# Altium PCB ESP32_Dash_FCEM_V1.0.PcbDoc
Units mil, origin at the board's own origin, x right, y up, seen from the top; angles counter-clockwise.
Board outline 3858.27 x 2218.11 mil, 2 copper layers (Top Layer, Bottom Layer); 48 components, 60 nets, 195 pads, 36 vias.
Unrouted connection lines stored in the file: 5.
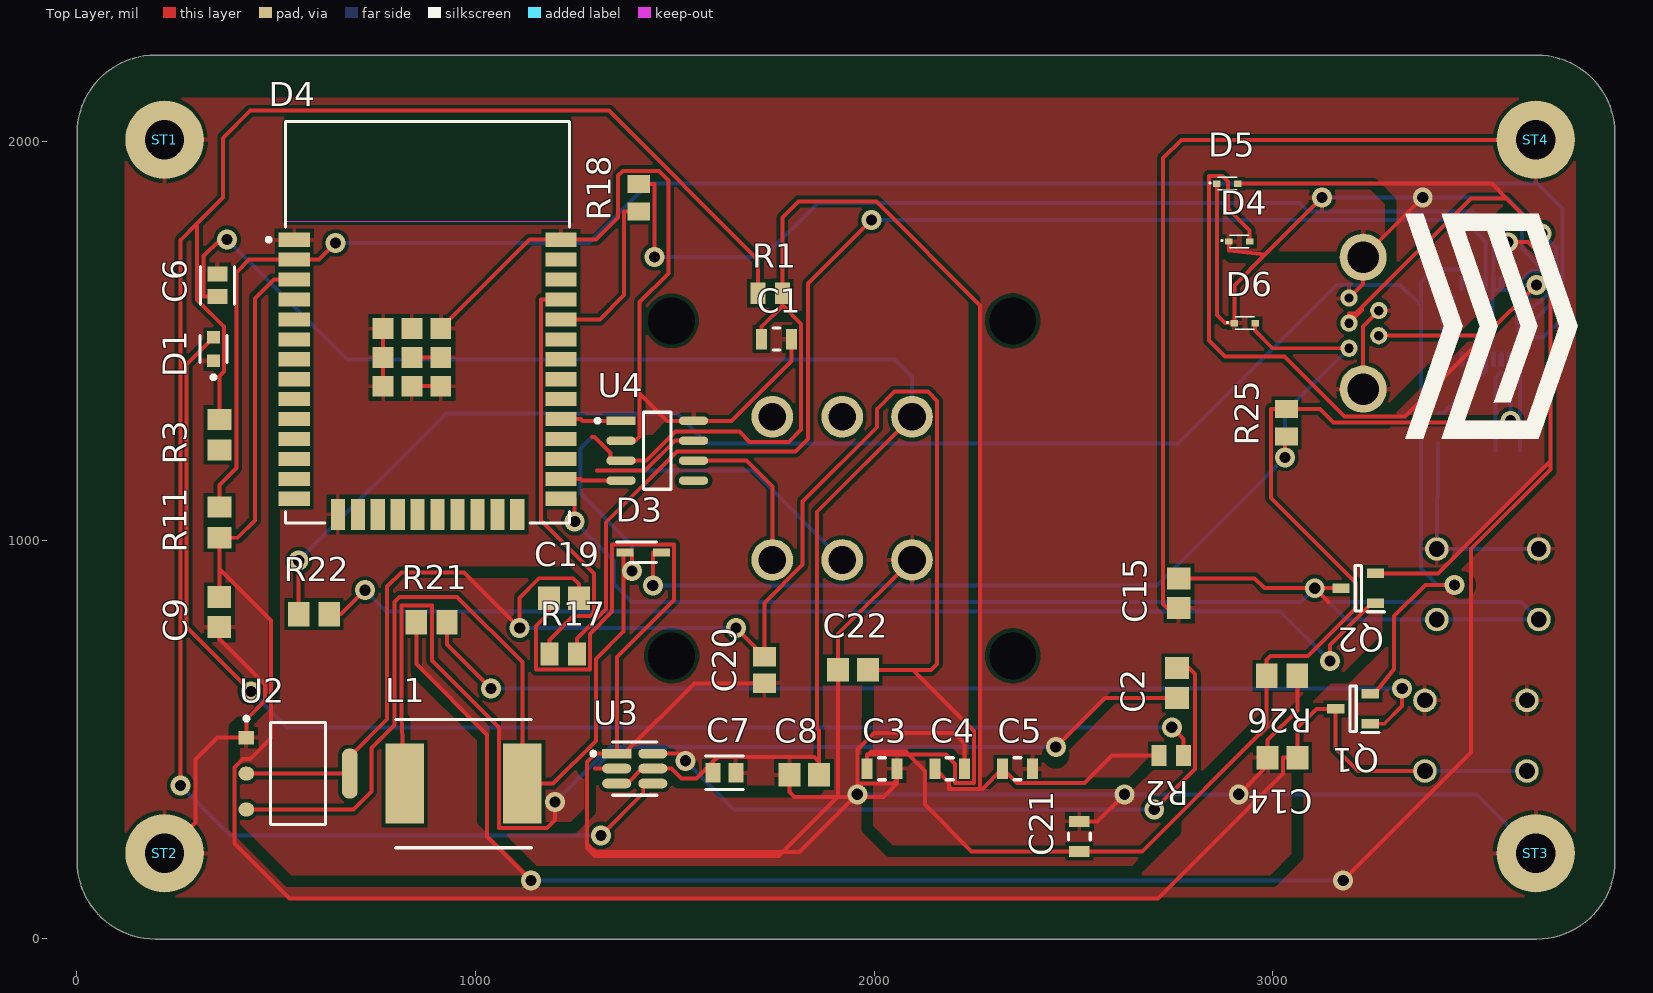
[diagram p0: Top Layer view]
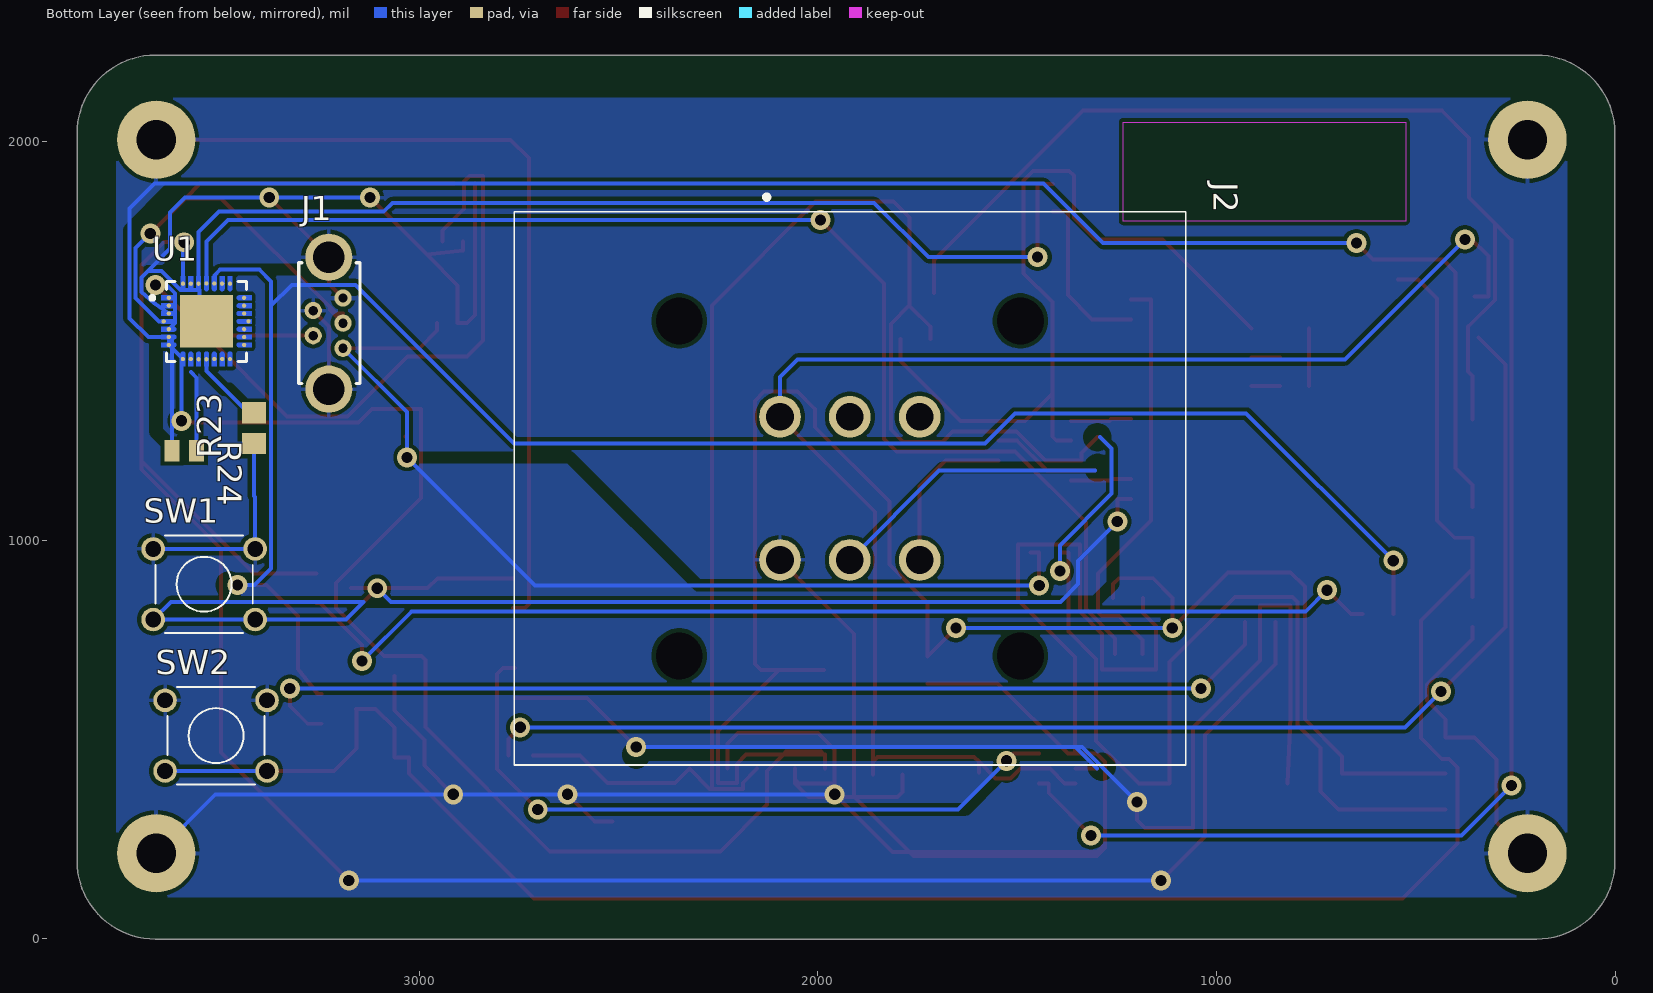
[diagram p1: Bottom Layer view, seen from below]
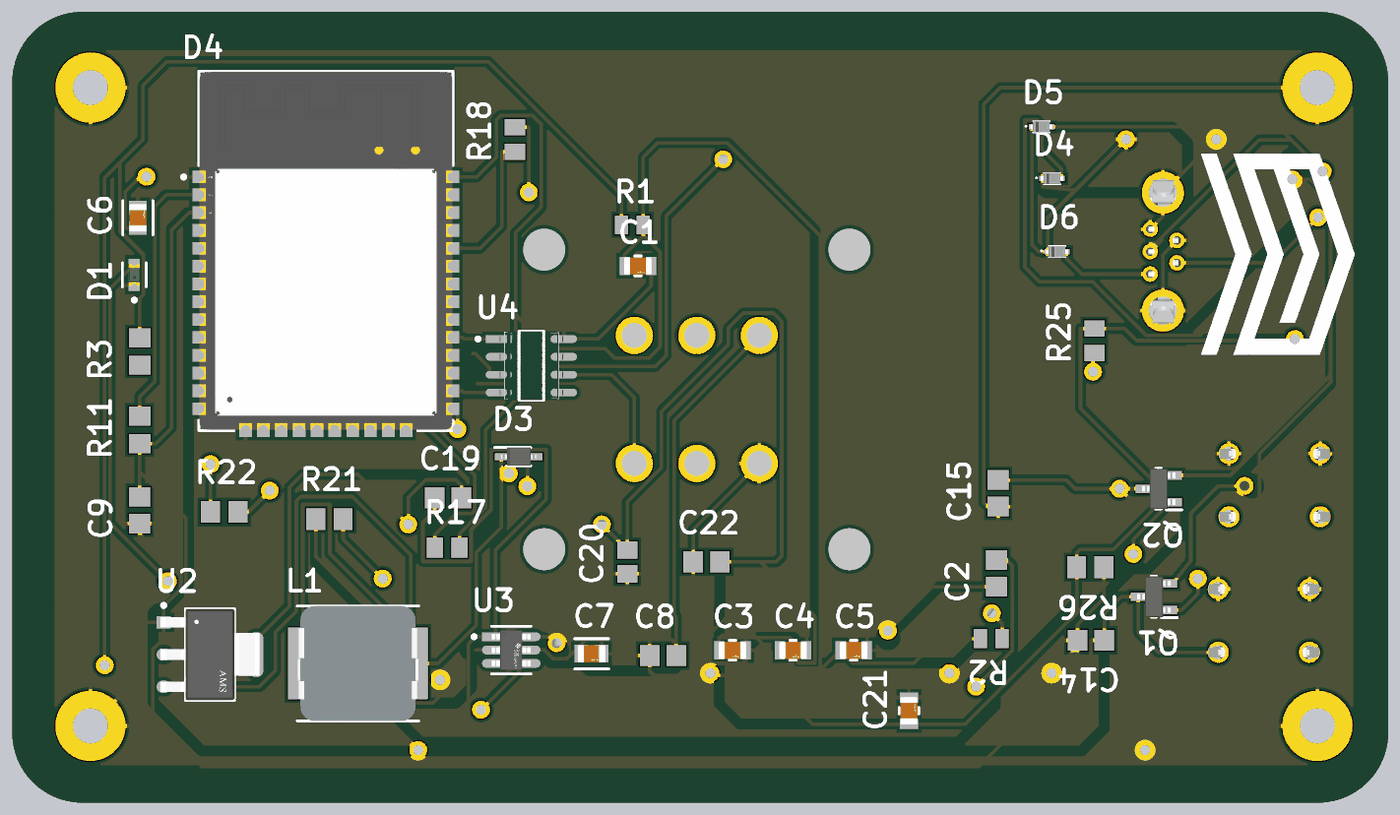
[diagram p2: 3D render of the assembled board from above, using the file's embedded part models]
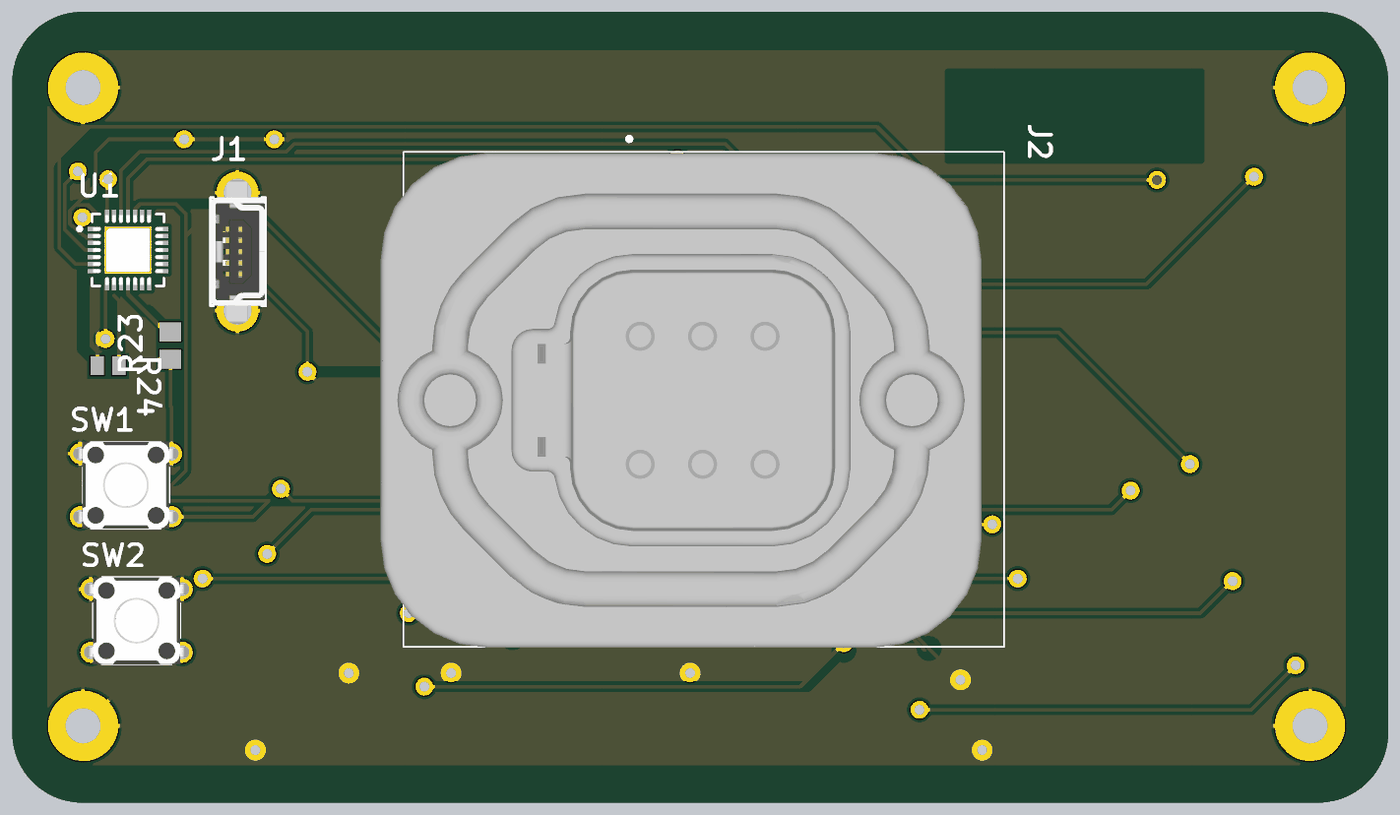
[diagram p3: 3D render of the assembled board from below, using the file's embedded part models]

## Layer stack, top to bottom
Top Solder: solder mask 0.4, Solder Resist, Dk 3.5
Top Layer: signal copper 1.4
Dielectric 1: dielectric 12.6, FR-4, Dk 4.8
Bottom Layer: signal copper 1.4
Bottom Solder: solder mask 0.4, Solder Resist, Dk 3.5

## Board outline
197.35,-0.5 cw(c197.35,196.35) 0.5,196.35 0.5,2020.76 cw(c197.35,2020.76) 197.35,2217.61 3661.92,2217.61 cw(c3661.92,2020.76) 3858.77,2020.76 3858.77,196.35 cw(c3661.92,196.35) 3661.92,-0.5

## Design rules (kind name [scope] priority, off if disabled: settings)
Clearance [All] p1: gap=10 ignorepadtopadclearanceinfootprint=FALSE except(0: Arc-Hole Track-Hole SMDPad-Hole THPad-Hole Via-Hole Fill-Hole Poly-Hole Region-Hole Text-Hole; 5: Arc-Arc Arc-Track Arc-SMDPad Arc-THPad Arc-Via Track-Track Track-SMDPad Track-THPad Track-Via SMDPad-SMDPad SMDPad-THPad SMDPad-Via THPad-THPad THPad-Via Via-Via)
PolygonConnect [All] p1: connectstyle=Relief reliefconductorwidth=10 reliefentries=4 polygonreliefangle="90 Angle" airgapwidth=10
RoutingPriority [InNet('GND')] p1: routingpriority=0
RoutingTopology [All] p1: topology=Daisy_Balanced
RoutingVias [All] p1: holewidth=28 width=50 viastyle="Through Hole" minholewidth=28 minwidth=50 maxholewidth=28 maxwidth=50
SolderMaskExpansion [All] p1: expansion=4 istentingtop=FALSE
UnRoutedNet [All] p1: checkbadconnections=TRUE
Width [All] p1: maxlimit=20 minlimit=10 preferedwidth=10 minimp=50.000000 maximp=50.000000 favimp=50.000000
27 further rules are at their usual default settings.

## Components (designator, comment, footprint, x,y, rotation, side; value= is the part's Value field where it differs from the comment)
C1 "GRM21BR61A226ME51L" FP-GRM21B-0_15-MFG 1755,1505 r0 top
C2 "GRM21BR71H104KA01L" CAPC2013X135X45ML10T25 2760,642.4 r90 top
C3 "GRM21BR61A226ME51L" FP-GRM21B-0_15-MFG 2020,427.17 r0 top
C4 "GRM21BR61A226ME51L" FP-GRM21B-0_15-MFG 2190,427.17 r0 top
C5 "GRM21BR61A226ME51L" FP-GRM21B-0_15-MFG 2360,427.17 r0 top
C6 "GRM21BR61C106KE15L" FP-GRM21B-0_1-IPC_C 352.83,1640 r90 top
C7 "GRM21BR61C106KE15L" FP-GRM21B-0_1-IPC_C 1625,417.17 r0 top
C8 "GRM21BR71H104KA01L" CAPC2013X135X45ML10T25 1825,412.17 r0 top
C9 "GRM21BR71H104KA01L" CAPC2013X135X45ML10T25 357.83,820 r90 top
C14 "GRM21BR71H104KA01L" CAPC2013X135X45ML10T25 3025,455 r180 top
C15 "GRM21BR71H104KA01L" CAPC2013X135X45ML10T25 2765,867.4 r90 top
C19 "GRM21BR71H104KA01L" CAPC2013X135X45ML10T25 1222.4,855 r0 top
C20 "GRM21BR60J475KA11K" CAPC2013X140X45NL15T25 1725,675 r90 top
C21 "GRM21BR61A226ME51L" FP-GRM21B-0_15-MFG 2515,257.4 r90 top
C22 "GRM21BR71H104KA01L" CAPC2013X135X45ML10T25 1947.4,675 r0 top
D1 "LTST-C190GKT" FP-LTST-C190GKT-MFG 342.83,1480 r90 top
D3 "BAT760-7" SOD2513X120N 1420.75,970 r0 top
D4 "ESP32-WROOM-32" FP-ESP32-WROOM-32-MFG 880,1547.28 r0 top
D4 "LESD5D5.0CT1G" LESD5D50CT1G 2915.98,1750 r0 top
D5 "LESD5D5.0CT1G" LESD5D50CT1G 2885.98,1895 r0 top
D6 "LESD5D5.0CT1G" LESD5D50CT1G 2930,1545 r0 top
J1 "651005136421" 651005136421 3225.75,1545 r90 bottom
J2 "DT15-6P" DT156P 2095.2,1310 r270 bottom
L1 "IHLP3232DZER3R3M01" INDPM8682X400N 970,390 r0 top
Q1 "SS8050-G" SOT95P240X115-3N 3201.69,577.4 r180 top
Q2 "SS8050-G" SOT95P240X115-3N 3215,880 r180 top
R1 "ERJ-6ENF5492V" RESC2013X70X40LL20T20 1739.49,1620 r0 top
R2 "ERJ-P06J202V" RESC2013X70X40LL20T20 2745.51,460 r180 top
R3 "ERJ-P06J103V" RESC2013X70X40ML20T20 357.83,1265 r90 top
R11 "ERJ-P06J103V" RESC2013X70X40ML20T20 357.83,1045 r90 top
R17 "ERJ-6GEY0R00V" RESC2013X70X40NL20T20 1220,715 r0 top
R18 "ERJ-6GEY0R00V" RESC2013X70X40NL20T20 1410,1859.45 r90 top
R21 "ERJ-P06J103V" RESC2013X70X40ML20T20 890,795 r0 top
R22 "ERJ-P06J103V" RESC2013X70X40ML20T20 595,815 r0 top
R23 "ERJ-P06J103V" RESC2013X70X40ML20T20 3415,1281.61 r90 bottom
R24 "ERJ-P06J202V" RESC2013X70X40LL20T20 3590,1225 r180 bottom
R25 "ERJ-6GEYJ223V" RESC2013X70X40NL20T20 3035,1295 r90 top
R26 "ERJ-6GEYJ473V" RESC2013X70X40ML20T20 3023.39,660 r180 top
ST1 "PTH-M2D5X5" PTH-M2D5X5#1 210,2005 r0 top
ST2 "PTH-M2D5X5" PTH-M2D5X5#2 220,215 r0 top
ST3 "PTH-M2D5X5" PTH-M2D5X5#2 3660,215 r0 top
ST4 "PTH-M2D5X5" PTH-M2D5X5#3 3655,2005 r0 top
SW1 "430156070726" 430156070726 3540,890 r180 bottom
SW2 "430156070726" 430156070726 3510,510 r180 bottom
U1 "CP2102N-A01-GQFN28" FP-CP2102N-A01-GQFN28-MFG 3534.06,1549.49 r180 bottom
U2 "AMS1117-3.3" FP-AMS1117-IPC_C 555,415 r0 top
U3 "TPS565208DDCR" FP-DDC0006A-IPC_A 1399.71,427.6 r0 top
U4 "TCAN1044VDRQ1" FP-D0008A-IPC_C 1456.09,1225 r0 top

## Footprints (in the part's own frame and the unit in brackets; to place one, negate y for a bottom-side part, rotate by r counter-clockwise, add the part's x,y. Pads: shape width x height; smd on the part's side, far side on the other; paste and mask are expansions set on the pad)
430156070726 [mm] "6*6mm vertical type, THT, height 7.0mm, white actuator, 260gf, Bulk"
  round 1.5 hole 1: 1(-3.25,2.25) 2(-3.25,-2.25) 3(3.25,2.25) 4(3.25,-2.25)
  silkscreen extent -3.1,-3.1 3.1,3.1, body extent -3.95,-3.1 3.95,3.1, height 7.01
651005136421 [mm] "Mini USB 2.0 Type B Vertical 5 Contacts"
  round 1.1 hole 0.6: 1(-1.6,-0.87) 2(-0.8,1.03) 3(0,-0.87) 4(0.8,1.03) 5(1.6,-0.87)
  round 3 hole 2: Shell(-4.2,0.03) Shell(4.2,0.03)
  silkscreen extent -3.85,-1.95 3.85,1.95, body extent -5.1,-1.92 5.1,1.98, height 9.4
CAPC2013X135X45ML10T25 [mm] "Chip Capacitor, 2-Leads, Body 2.10x1.35mm, IPC Low Density"
  rect 1.4x1.5 smd: 1(-0.95,0) 2(0.95,0)
  body extent -1.05,-0.67 1.05,0.67, height 1.35
CAPC2013X140X45NL15T25 [mm] "Chip Capacitor, 2-Leads, Body 2.00x1.25mm, IPC Medium Density"
  rect 1.25x1.45 smd: 1(-0.85,0) 2(0.85,0)
  body extent -1.08,-0.7 1.07,0.7, height 1.4
DT156P [mm]
  round 2.655 hole 1.77: 1(0,0) 2(0,4.45) 3(0,8.9) 4(9.12,8.9) 5(9.12,4.45) 6(9.12,0)
  round 1.495 hole 2.99 unplated: MH1(-6.11,15.32) MH2(-6.11,-6.42) MH3(15.23,-6.42) MH4(15.23,15.32)
  silkscreen extent -14.15,-16.94 22.19,25.84, body extent -13.01,-18.56 22.25,24.24, height 30.49
FP-AMS1117-IPC_C [mm]
  rect 1.004x0.872 smd paste+0 mask+0: 1(-3.295,2.29)
  rrect100% 1.004x0.872 smd paste+0 mask+0: 2(-3.295,0) 3(-3.295,-2.29)
  rrect87% 1.004x3.182 smd paste+0 mask+0: 4(3.295,0)
  silkscreen extent -3.42,-3.25 1.75,3.62, body extent -3.9,-3.35 3.9,3.35, height 0.25
FP-CP2102N-A01-GQFN28-MFG [mm]
  round 0.27 smd paste+0 mask+0: 1(-2.4,1.5) 2(-2.4,1) 3(-2.4,0.5) 4(-2.725,0) 5(-2.4,-0.5) 6(-2.4,-1) 7(-2.4,-1.5) 8(-1.5,-2.4) 9(-1,-2.4) 10(-0.5,-2.416) 11(0,-2.416) 12(0.5,-2.4) 13(1,-2.4) 14(1.5,-2.4) 15(2.4,-1.5) 16(2.4,-1) 17(2.4,-0.5) 18(2.675,0) 19(2.4,0.5) 20(2.4,1) 21(2.4,1.5) 22(1.5,2.4) 23(1,2.4) 24(0.5,2.416) 25(0,2.416) 26(-0.5,2.4) 27(-1,2.4) 28(-1.5,2.4)
  rect 3.35x3.35 smd paste-1000 mask+0: 29(0,0)
  Top Layer region: -1.35,2.875 -1.35,2.075 -1.361,2.018 -1.394,1.969 -1.443,1.936 -1.5,1.925 -1.5,1.925 -1.557,1.936 -1.606,1.969 -1.639,2.018 -1.65,2.075 -1.65,2.075 -1.65,2.875
  Top Layer region: -0.85,2.875 -0.85,2.075 -0.861,2.018 -0.894,1.969 -0.943,1.936 -1,1.925 -1,1.925 -1.057,1.936 -1.106,1.969 -1.139,2.018 -1.15,2.075 -1.15,2.075 -1.15,2.875
  Top Layer region: -0.35,2.875 -0.35,2.075 -0.361,2.018 -0.394,1.969 -0.443,1.936 -0.5,1.925 -0.5,1.925 -0.557,1.936 -0.606,1.969 -0.639,2.018 -0.65,2.075 -0.65,2.075 -0.65,2.875
  Top Layer region: 0.15,2.875 0.15,2.075 0.139,2.018 0.106,1.969 0.057,1.936 0,1.925 0,1.925 -0.057,1.936 -0.106,1.969 -0.139,2.018 -0.15,2.075 -0.15,2.075 -0.15,2.875
  Top Layer region: 0.65,2.875 0.65,2.075 0.639,2.018 0.606,1.969 0.557,1.936 0.5,1.925 0.5,1.925 0.443,1.936 0.394,1.969 0.361,2.018 0.35,2.075 0.35,2.075 0.35,2.875
  Top Layer region: 1.15,2.875 1.15,2.075 1.139,2.018 1.106,1.969 1.057,1.936 1,1.925 1,1.925 0.943,1.936 0.894,1.969 0.861,2.018 0.85,2.075 0.85,2.075 0.85,2.875
  Top Layer region: 1.65,2.875 1.65,2.075 1.639,2.018 1.606,1.969 1.557,1.936 1.5,1.925 1.5,1.925 1.443,1.936 1.394,1.969 1.361,2.018 1.35,2.075 1.35,2.075 1.35,2.875
  Top Layer region: 2.875,1.35 2.075,1.35 2.018,1.361 1.969,1.394 1.936,1.443 1.925,1.5 1.925,1.5 1.936,1.557 1.969,1.606 2.018,1.639 2.075,1.65 2.075,1.65 2.875,1.65
  Top Layer region: 2.875,0.85 2.075,0.85 2.018,0.861 1.969,0.894 1.936,0.943 1.925,1 1.925,1 1.936,1.057 1.969,1.106 2.018,1.139 2.075,1.15 2.075,1.15 2.875,1.15
  Top Layer region: 2.875,0.35 2.075,0.35 2.018,0.361 1.969,0.394 1.936,0.443 1.925,0.5 1.925,0.5 1.936,0.557 1.969,0.606 2.018,0.639 2.075,0.65 2.075,0.65 2.875,0.65
  Top Layer region: 2.875,-0.15 2.075,-0.15 2.018,-0.139 1.969,-0.106 1.936,-0.057 1.925,0 1.925,0 1.936,0.057 1.969,0.106 2.018,0.139 2.075,0.15 2.075,0.15 2.875,0.15
  Top Layer region: 2.875,-0.65 2.075,-0.65 2.018,-0.639 1.969,-0.606 1.936,-0.557 1.925,-0.5 1.925,-0.5 1.936,-0.443 1.969,-0.394 2.018,-0.361 2.075,-0.35 2.075,-0.35 2.875,-0.35
  Top Layer region: 2.875,-1.15 2.075,-1.15 2.018,-1.139 1.969,-1.106 1.936,-1.057 1.925,-1 1.925,-1 1.936,-0.943 1.969,-0.894 2.018,-0.861 2.075,-0.85 2.075,-0.85 2.875,-0.85
  Top Layer region: 2.875,-1.65 2.075,-1.65 2.018,-1.639 1.969,-1.606 1.936,-1.557 1.925,-1.5 1.925,-1.5 1.936,-1.443 1.969,-1.394 2.018,-1.361 2.075,-1.35 2.075,-1.35 2.875,-1.35
  Top Layer region: 1.35,-2.875 1.35,-2.075 1.361,-2.018 1.394,-1.969 1.443,-1.936 1.5,-1.925 1.5,-1.925 1.557,-1.936 1.606,-1.969 1.639,-2.018 1.65,-2.075 1.65,-2.075 1.65,-2.875
  Top Layer region: 0.85,-2.875 0.85,-2.075 0.861,-2.018 0.894,-1.969 0.943,-1.936 1,-1.925 1,-1.925 1.057,-1.936 1.106,-1.969 1.139,-2.018 1.15,-2.075 1.15,-2.075 1.15,-2.875
  Top Layer region: 0.35,-2.875 0.35,-2.075 0.361,-2.018 0.394,-1.969 0.443,-1.936 0.5,-1.925 0.5,-1.925 0.557,-1.936 0.606,-1.969 0.639,-2.018 0.65,-2.075 0.65,-2.075 0.65,-2.875
  Top Layer region: -0.15,-2.875 -0.15,-2.075 -0.139,-2.018 -0.106,-1.969 -0.057,-1.936 0,-1.925 0,-1.925 0.057,-1.936 0.106,-1.969 0.139,-2.018 0.15,-2.075 0.15,-2.075 0.15,-2.875
  Top Layer region: -0.65,-2.875 -0.65,-2.075 -0.639,-2.018 -0.606,-1.969 -0.557,-1.936 -0.5,-1.925 -0.5,-1.925 -0.443,-1.936 -0.394,-1.969 -0.361,-2.018 -0.35,-2.075 -0.35,-2.075 -0.35,-2.875
  Top Layer region: -1.15,-2.875 -1.15,-2.075 -1.139,-2.018 -1.106,-1.969 -1.057,-1.936 -1,-1.925 -1,-1.925 -0.943,-1.936 -0.894,-1.969 -0.861,-2.018 -0.85,-2.075 -0.85,-2.075 -0.85,-2.875
  Top Layer region: -1.65,-2.875 -1.65,-2.075 -1.639,-2.018 -1.606,-1.969 -1.557,-1.936 -1.5,-1.925 -1.5,-1.925 -1.443,-1.936 -1.394,-1.969 -1.361,-2.018 -1.35,-2.075 -1.35,-2.075 -1.35,-2.875
  Top Layer region: -2.875,-1.35 -2.075,-1.35 -2.018,-1.361 -1.969,-1.394 -1.936,-1.443 -1.925,-1.5 -1.925,-1.5 -1.936,-1.557 -1.969,-1.606 -2.018,-1.639 -2.075,-1.65 -2.075,-1.65 -2.875,-1.65
  Top Layer region: -2.875,-0.85 -2.075,-0.85 -2.018,-0.861 -1.969,-0.894 -1.936,-0.943 -1.925,-1 -1.925,-1 -1.936,-1.057 -1.969,-1.106 -2.018,-1.139 -2.075,-1.15 -2.075,-1.15 -2.875,-1.15
  Top Layer region: -2.875,-0.35 -2.075,-0.35 -2.018,-0.361 -1.969,-0.394 -1.936,-0.443 -1.925,-0.5 -1.925,-0.5 -1.936,-0.557 -1.969,-0.606 -2.018,-0.639 -2.075,-0.65 -2.075,-0.65 -2.875,-0.65
  Top Layer region: -2.875,0.15 -2.075,0.15 -2.018,0.139 -1.969,0.106 -1.936,0.057 -1.925,0 -1.925,0 -1.936,-0.057 -1.969,-0.106 -2.018,-0.139 -2.075,-0.15 -2.075,-0.15 -2.875,-0.15
  Top Layer region: -2.875,0.65 -2.075,0.65 -2.018,0.639 -1.969,0.606 -1.936,0.557 -1.925,0.5 -1.925,0.5 -1.936,0.443 -1.969,0.394 -2.018,0.361 -2.075,0.35 -2.075,0.35 -2.875,0.35
  Top Layer region: -2.875,1.15 -2.075,1.15 -2.018,1.139 -1.969,1.106 -1.936,1.057 -1.925,1 -1.925,1 -1.936,0.943 -1.969,0.894 -2.018,0.861 -2.075,0.85 -2.075,0.85 -2.875,0.85
  Top Layer region: -2.875,1.65 -2.075,1.65 -2.018,1.639 -1.969,1.606 -1.936,1.557 -1.925,1.5 -1.925,1.5 -1.936,1.443 -1.969,1.394 -2.018,1.361 -2.075,1.35 -2.075,1.35 -2.875,1.35
  silkscreen extent -3.58,-2.55 2.55,2.55, body extent -2.5,-2.5 2.5,2.5, height 0.8
FP-D0008A-IPC_C [mil]
  rect 73.59x21.34 smd paste+0 mask+0: 1(-91.09,75)
  rrect100% 73.59x21.34 smd paste+0 mask+0: 2(-91.09,25) 3(-91.09,-25) 4(-91.09,-75) 5(91.09,-75) 6(91.09,-25) 7(91.09,25) 8(91.09,75)
  silkscreen extent -154,-97 35,97, body extent -132,-100 132,100, height 10
FP-DDC0006A-IPC_A [mm]
  rect 1.854x0.612 smd paste+0 mask+0: 1(-1.15,0.95)
  rrect100% 1.854x0.612 smd paste+0 mask+0: 2(-1.15,0) 3(-1.15,-0.95) 4(1.15,-0.95) 5(1.15,0) 6(1.15,0.95)
  silkscreen extent -2.77,-1.7 1.4,1.7, body extent -2.58,-1.95 2.58,1.95, height 0.25
FP-ESP32-WROOM-32-MFG [mm]
  rect 2x0.9 smd paste+0 mask+0: 1(-8.5,5.26) 2(-8.5,3.99) 3(-8.5,2.72) 4(-8.5,1.45) 5(-8.5,0.18) 6(-8.5,-1.09) 7(-8.5,-2.36) 8(-8.5,-3.63) 9(-8.5,-4.9) 10(-8.5,-6.17) 11(-8.5,-7.44) 12(-8.5,-8.71) 13(-8.5,-9.98) 14(-8.5,-11.25) 25(8.5,-11.25) 26(8.5,-9.98) 27(8.5,-8.71) 28(8.5,-7.44) 29(8.5,-6.17) 30(8.5,-4.9) 31(8.5,-3.63) 32(8.5,-2.36) 33(8.5,-1.09) 34(8.5,0.18) 35(8.5,1.45) 36(8.5,2.72) 37(8.5,3.99) 38(8.5,5.26)
  rect 0.9x2 smd paste+0 mask+0: 15(-5.715,-12.25) 16(-4.445,-12.25) 17(-3.175,-12.25) 18(-1.905,-12.25) 19(-0.635,-12.25) 20(0.635,-12.25) 21(1.905,-12.25) 22(3.175,-12.25) 23(4.445,-12.25) 24(5.715,-12.25)
  rect 1.33x1.33 smd paste+0 mask+0: 39(-2.835,-4.075) 39(-2.835,-2.24) 39(-2.835,-0.405) 39(-1,-4.075) 39(-1,-2.24) 39(-1,-0.405) 39(0.835,-4.075) 39(0.835,-2.24) 39(0.835,-0.405)
  Keep-Out Layer region: -9,6.45 9,6.45 9,12.75 -9,12.75
  Keep-Out Layer region: -9,6.45 9,6.45 9,12.75 -9,12.75
  silkscreen extent -10.25,-12.8 9.05,12.8, body extent -9.6,-13.35 9.6,12.9, height 0.25
FP-GRM21B-0_1-IPC_C [mil]
  rect 37.71x49.69 smd paste+0 mask+0: 1(-28.63,0) 2(28.63,0)
  silkscreen extent -47,-42 47,42, body extent -51,-31 51,31, height 10
FP-GRM21B-0_15-MFG [mm]
  rect 0.7x1.3 smd paste+0 mask+0: 1(-0.95,0) 2(0.95,0)
  silkscreen extent -0.22,-0.7 0.22,0.7, body extent -1.4,-0.8 1.4,0.8, height 0.25
FP-LTST-C190GKT-MFG [mm]
  rect 0.8x0.8 smd paste+0 mask+0: 1(-0.75,0) 2(0.75,0)
  silkscreen extent -1.92,-0.85 0.85,0.85, body extent -1.25,-0.55 1.25,0.55, height 0.25
INDPM8682X400N [mm]
  rect 2.45x5.1 smd: 1(-3.75,0) 2(3.75,0)
  silkscreen extent -4.32,-4.09 4.32,4.09, body extent -4.3,-4.1 4.3,4.1, height 3.9
LESD5D50CT1G [mm]
  rect 0.48x0.4 smd: 1(-0.66,0) 2(0.66,0)
  silkscreen extent -1.15,-0.4 0.6,0.4, body extent -0.8,-0.4 0.8,0.4, height 0.6
PTH-M2D5X5#1 [mm]
  round 5 hole 2.5: 1(0.254,0)
PTH-M2D5X5#2 [mm]
  round 5 hole 2.5: 1(0,0)
PTH-M2D5X5#3 [mm]
  round 5 hole 2.5: 1(0.127,0)
RESC2013X70X40LL20T20 [mm] "Chip Resistor, 2-Leads, Body 2.00x1.25mm, IPC High Density"
  rect 0.95x1.35 smd: 1(-0.775,0) 2(0.775,0)
  body extent -1.1,-0.72 1.1,0.72, height 0.7
RESC2013X70X40ML20T20 [mm] "Chip Resistor, 2-Leads, Body 2.00x1.25mm, IPC Low Density"
  rect 1.35x1.55 smd: 1(-0.975,0) 2(0.975,0)
  body extent -1.1,-0.72 1.1,0.72, height 0.7
RESC2013X70X40NL20T20 [mm] "Chip Resistor, 2-Leads, Body 2.00x1.25mm, IPC Medium Density"
  rect 1.15x1.45 smd: 1(-0.875,0) 2(0.875,0)
  body extent -1.1,-0.72 1.1,0.72, height 0.7
SOD2513X120N [mm]
  rect 1.075x0.5 smd: 1(-1.162,0) 2(1.162,0)
  silkscreen extent -1.7,-0.65 0.85,0.65, body extent -1.25,-0.65 1.25,0.65, height 1.2
SOT95P240X115-3N [mm]
  rect 1.1x0.6 smd: 1(-1.1,0.95) 2(-1.1,-0.95) 3(1.1,0)
  silkscreen extent -1.65,-1.45 0.2,1.5, body extent -1.2,-1.45 1.2,1.45, height 1.15

## Part data
C1 C3 C4 C5 C21: library part CMP-2000-06340-2, "Chip Multilayer Ceramic Capacitors for General Purpose, 0805, 22uF, X5R, 15%, 20%, 10V", Capacitance=22uF, Case Code (Imperial)=0805, Case Code (Metric)=2012, Dielectric=X5R, Max Operating Temperature=85°C, Min Operating Temperature=-55°C, Package Quantity=3000, Tolerance=20%, Voltage Rating=10V, Case/Package=0805, Depth=1.25mm, Height=1.25mm, Lead Free="Lead Free", Length=2mm, Mount="Surface Mount", Packaging="Tape and Reel", Radiation Hardening=No, REACH SVHC="No SVHC", Termination=SMD/SMT, Thickness=0.055inch, Voltage Rating (DC)=10V, Weight=0.000335oz, Width=0.049inch
C2 C8 C9 C14 C15 C19 C22: library part CMP-2100-03644-1, "Chip Capacitor, 0.1 uF, +/- 10%, 50 V, -55 to 125 degC, 0805 (2012 Metric), RoHS, Tape and Reel", Capacitance=100nF, Case Code (Imperial)=0805, Case Code (Metric)=2012, Dielectric=X7R, Dielectric Material=Ceramic, Insulation Resistance=10GR, Manufacturer=Murata, Max Operating Temperature=125degC, Min Operating Temperature=-55degC, Package Description="2-Pin Surface Mount Device, Body 2 x 1.25 mm", Package Quantity=1, Tolerance=10%, Voltage=50V, Case/Package=0805, Datasheet URL=http://psearch.en.murata.com/capacitor/product/GRM21BR71H104KA01%23.pdf, Datasheet Version=42675.0, Depth=1.25mm, Height=1.25mm, Lead Free=LeadFree, Length=2mm, Manufacturer URL=http://www.murata.com/, Material=Ceramic, Mount=SurfaceMount, Number of Pins=2, Package Reference=0805, Packaging=TapeandReel, Radiation Hardening=No, REACH SVHC=Unknown, RoHSCompliant=true, Termination=SMD/SMT, Thickness=0.053inch, Voltage Rating=50V, Voltage Rating (DC)=50V, Width=0.049inch
C6 C7: library part CMP-2007-03453-2, "Chip Multilayer Ceramic Capacitors for General Purpose, 0805, 10uF, X5R, 15%, 10%, 16V", Capacitance=10uF, Case Code (Imperial)=0805, Case Code (Metric)=2012, Dielectric=X5R, Max Operating Temperature=85°C, Min Operating Temperature=-55°C, Package Quantity=1, Tolerance=10%, Voltage=16V, Case/Package=0805, Depth=1.25mm, Height=1.25mm, Lead Free="Lead Free", Length=2mm, Material=Ceramic, Mount="Surface Mount", Packaging="Tape and Reel", Radiation Hardening=No, REACH SVHC="No SVHC", Termination=SMD/SMT, Thickness=0.053inch, Voltage Rating=16V, Voltage Rating (DC)=16V, Width=1.25mm
C20: library part CMP-2007-03388-1, Manufacturer=Murata, Part Number=GRM21BR60J475KA11K
D1: library part CMP-22017-000005-2, "LED GREEN CLEAR CHIP SMD", Case Code (Imperial)=0603, Case Code (Metric)=1608, Color=Green, Forward Current=30mA, Forward Voltage=2.1V, Lens Color=Colorless, Max Operating Temperature=85°C, Min Operating Temperature=-55°C, Package Quantity=1, Power Dissipation=100mW, Reverse Voltage=5V, Test Current=10mA, Voltage=2V, Case/Package=0603, Depth=0.8mm, Dominant Wavelength=569nm, Height=0.8mm, Illumination Color=Green, Lead Free="Lead Free", Length=1.6mm, Lens Style=Clear, Lens Transparency=Clear, Luminous Intensity=6mcd, Mount="Surface Mount", Number of Elements=1, Number of LEDs=1, Number of Pins=2, Packaging="Tape and Reel", Power Rating=100mW, Radiation Hardening=No, Viewing Angle=130°, Wavelength=565nm, Width=0.8mm
D3: "Schottky Diode", Manufacturer_Name="Diodes Inc.", Mouser Part Number=621-BAT760-7, Arrow Part Number=BAT760-7, Arrow Price/Stock=https://www.arrow.com/en/products/bat760-7/diodes-incorporated?region=europe, Datasheet Link=https://www.diodes.com/assets/Datasheets/ds30498.pdf, Height=1.2mm, Manufacturer_Part_Number=BAT760-7, Mouser Price/Stock=https://www.mouser.co.uk/ProductDetail/Diodes-Incorporated/BAT760-7?qs=JV7lzlMm3yKDDyO09xoRbQ%3D%3D
D4: library part CMP-194065-000008-1, "RX TXRX MOD WIFI SURFACE MOUNT", Case/Package=SMD/SMT, Frequency=2.5GHz, Max Operating Temperature=85°C, Min Operating Temperature=-40°C, Operating Supply Voltage=3.6V, Package Quantity=550, Data Rate=150Mbps, Mount="Surface Mount", Packaging="Cut Tape", Sensitivity=-98dBm, Weight=0.088185oz
D4 D5 D6: "TVS Diode (Bi-directional)", Manufacturer_Name=LRC, Datasheet Link=http://www.lrcls.com/data/pdf/LESD5D5.0CT1G.pdf, Height=0.7mm, Manufacturer_Part_Number=LESD5D5.0CT1G
J1: library part CMP-1502-03248-1, "Mini USB 2.0 Type B Receptacle WR-COM, Vertical, THT", Contact Resistance=20mOhm, Manufacturer="Wurth Elektronik", Operating Temperature=-40to105degC, Rated Current=1A, Working Voltage=30VAC, Connector Type=MiniUSB2.0TypeB, Datasheet URL=https://katalog.we-online.de/em/datasheet/651005136421%282%29.pdf, Gender=Receptacle, Manufacturer URL=http://www.we-online.de, Mounting Technology=THT, Orientation=Vertical, Package Reference=651005136421, Packaging=Tray, Part Number=651005136421, Publisher=WurthElektronik
J2: "Connector", Manufacturer_Name="TE Connectivity", Mouser Part Number=571-DT15-6P, Datasheet Link=http://www.mouser.com/ds/2/418/NG_CD_DT15-6P_C1-960750.pdf, Height=30.99mm, Manufacturer_Part_Number=DT15-6P, Mouser Price/Stock=https://www.mouser.co.uk/ProductDetail/TE-Connectivity-DEUTSCH/DT15-6P?qs=vkMqrgFpRairOlMBPMX7lA%3D%3D
L1: "Inductor", Manufacturer_Name=Vishay, Mouser Part Number=70-IHLP3232DZER3R3M0, Arrow Part Number=IHLP3232DZER3R3M01, Arrow Price/Stock=https://www.arrow.com/en/products/ihlp3232dzer3r3m01/vishay?region=nac, Datasheet Link=https://www.vishay.com/docs/34316/ihlp-3232dz-01.pdf, Height=4mm, Manufacturer_Part_Number=IHLP3232DZER3R3M01, Mouser Price/Stock=https://www.mouser.co.uk/ProductDetail/Vishay-Dale/IHLP3232DZER3R3M01?qs=IyEhILxByaPZ47o12iE%252BuQ%3D%3D
Q1 Q2: "Transistor BJT NPN", Manufacturer_Name="Comchip Technology", Mouser Part Number=750-SS8050-G, Arrow Part Number=SS8050-G, Arrow Price/Stock=https://www.arrow.com/en/products/ss8050-g/comchip-technology?region=nac, Datasheet Link=http://www.comchiptech.com/admin/files/product/SS8050-G%20RevA181526.pdf, Height=1.15mm, Manufacturer_Part_Number=SS8050-G, Mouser Price/Stock=https://www.mouser.co.uk/ProductDetail/Comchip-Technology/SS8050-G?qs=LLUE9lz1YbcHg%252BWLMAtcrQ%3D%3D
R1: library part CMP-2001-00233-1, Manufacturer=Panasonic, Part Number=ERJ-6ENF5492V
R2 R24: library part CMP-2001-00483-1, Manufacturer=Panasonic, Part Number=ERJ-P06J202V
R3 R11 R21 R22 R23: library part CMP-2001-00478-1, Manufacturer=Panasonic, Part Number=ERJ-P06J103V
R17 R18: library part CMP-1665-00002-5, "Chip Resistor, 0 Ohm, +/- 1%, 0.125 W, -55 to 155 degC, 0805 (2012 Metric), RoHS, Tape and Reel", Case Code (Imperial)=0805, Case Code (Metric)=2012, Max Operating Temperature="155 degC", Min Operating Temperature="-55 degC", Package Quantity=5000, Resistance="0 Ohm", Tolerance=5%, Case/Package=0805, ComponentLink1Description="Manufacturer URL", ComponentLink1URL=http://www.panasonic.com/, ComponentLink2Description=Datasheet, ComponentLink2URL=http://industrial.panasonic.com/cdbs/www-data/pdf/RDA0000/AOA0000C84.pdf, DatasheetVersion=03/2015, Height="0.6 mm", Length="2 mm", Mounting Technology="Surface Mount", PackageDescription="2-Pin Surface Mount Device, Body 2 x 1.25 mm", Packaging="Tape and Reel", PartNumber=ERJ-6GEY0R00V, Radiation Hardening=No, REACH SVHC="No SVHC", RoHSCompliant=True, Width="1.25 mm"
R25: library part CMP-2001-00377-1, Manufacturer=Panasonic, Part Number=ERJ-6GEYJ223V
R26: library part CMP-2001-00421-1, Manufacturer=Panasonic, Part Number=ERJ-6GEYJ473V
ST1 ST2 ST3 ST4: library part CMP-00028-00004-1, "M2 PTH (2.5mm), 5mm pad", Pins=1
SW1 SW2: library part CMP-1453-00005-1, "WS-TATV THT Tact Switch 6X6 mm", Manufacturer="Wuerth Elektronik", ComponentLink1Description="Manufacturer URL", ComponentLink1URL=http://www.we-online.com, ComponentLink2Description=Datasheet, ComponentLink2URL=http://katalog.we-online.de/em/datasheet/4301x6.pdf, NoPins=04, PackageReference=430156070726, PartNumber=430156070726
U1: library part CMP-08093-000004-1, "IC BRIDGE USB TO UART 28QFN", Ambient Temperature Range High=+85°C, Ambient Temperature Range Low=-40°C, Manufacturer="Silicon Labs", Max Junction Temp=+105°C, Max Supply Voltage=5.25V, Min Supply Voltage=1.71V, Nominal Supply Current=195-13700uA, Temperature="-40°C to +85°C", Automotive=No, Category=IC, ComponentLink2Description=Datasheet, ComponentLink2URL=https://media.digikey.com/pdf/Data%20Sheets/Silicon%20Laboratories%20PDFs/CP2102N_Rev.1.3_DS.pdf, Device Class L1="Integrated Circuits (ICs)", Device Class L2="Interface ICs", Device Class L3="USB Interface ICs", Digikey Description="IC BRIDGE USB TO UART 28QFN", Height=0.8mm, Interface=UART,USB,RS-232,RS-485, Ipc Land Pattern Name=QFN50P500X500X75-28, Lead Free=Yes, Manufacturer Part Number=CP2102N-A01-GQFN28, Mouser Description="IC BRIDGE USB TO UART 28QFN", Number Of Ports=1, Octopart=https://octopart.com/cp2102n-a01-gqfn28-silicon+labs-74636024, Package=CP2102N-A01-GQFN28, RoHS=TRUE, Standoff Height=0mm, Temperature Range High=+85°C, Temperature Range Low=-40°C, Usb Standard="USB 2.0"
U2: library part CMP-209535-000001-1, "LDO Voltage Regulators 1A, 3.3V", Dropout Voltage=1.1V, Manufacturer="Advanced Monolithic Systems", Max Junction Temp=+125°C, Max Power Dissipation=1.2W, Max Supply Voltage=15V, Nominal Supply Current=5mA, Output Current=1A, Output Voltage=3.3V, Package=AMS1117, Temperature="-40°C to +125°C", Temperature Range Low=-40°C, Automotive=No, Category=IC, ComponentLink2Description=Datasheet, ComponentLink2URL=http://www.advanced-monolithic.com/pdf/ds1117.pdf, Device Class L1="Integrated Circuits (ICs)", Device Class L2="Power Management ICs", Device Class L3="Voltage Regulators - Linear", Height=1.8mm, Ipc Land Pattern Name=SOT229P700X180-4, Lead Free=Yes, Manufacturer Part Number=AMS1117-3.3, Number Of Outputs=1, Octopart=https://octopart.com/ams1117-3.3-advanced+monolithic+systems-25899300, Output Type=Fixed, RoHS=TRUE, Standoff Height=0.64mm, Temperature Range High=+125°C
U3: library part CMP-04918-000154-1, "IC REG BUCK ADJ 5A TSOT23-6", Case/Package=SOT-23-6, Max Input Voltage=17V, Max Operating Temperature=125°C, Max Output Voltage=7V, Min Input Voltage=4.5V, Min Operating Temperature=-40°C, Min Output Voltage=760mV, Output Current=5A, Switching Frequency=500kHz, Mount="Surface Mount", Number Of Outputs=1, Number of Pins=6, Output Configuration=Positive, Output Type=Adjustable, Packaging="Tape and Reel", Synchronous Rectifier=Yes
U4: library part CMP-04872-000112-1, "CAN XCVR WITH OPTIONAL FD", RoHS Compliant=Yes

## Via types
v1: diameter 50, hole 28, Top Layer to Bottom Layer, 36 vias

## Nets (pads, with @x,y where several pads share a name; then routed paths per layer and width w, separated by ;. In a path a pad name is that pad's centre, name@x,y a point inside that pad or via, vN(x,y) a via of type N, cw(c..) or ccw(c..) an arc to the next point about the centre after c; other vN are vias at no path point)
3.3: C3.1 C19.2 C20.2 C21.1 C22.2 D4.2@545.35,1704.37 R11.2 R24.1 R25.2 R26.2 U1.6 U1.7 U1.8 U2.2 U2.4 | length 12468.5
  Top Layer w10: R11.2 357.83,1139 400,1181.17 400,1672.37 432,1704.37 545.35,1704.37 607.37,1704.37 v1(649,1746) ; U2.2 U2.4 684.72,458 778,551.28 778,884 814,920 971,920 v1(1111,780) 1111,856 1160,905 1244.8,905 1259.8,890 C19.2 ; v1(1654,780) C20.2@1725,709 ; C20.2 C20.2@1725,709 ; C3.1 1982.6,460 ; C22.2 2098,675 ; v1(3597,1300) 3592.59,1295.59 3152.41,1295.59 3118.55,1329.45 R25.2 2996,1329.45 2996,1106 3209,893 3209,830 3089,710 2995,710 2985,700 R26.2 2985,532.13 2672.87,220 C21.1 2245,220 2128,337 2128,422 2087,463 ; C20.2@1725,709 1725,843 1821,939 1821,1097 2008,1284 2008,1330 2051,1373 2135,1373 2158,1350 2158,690 2143,675 2098,675 ; 1982.6,460 1982.6,463 1985.6,463 ; 1982.6,460 1985.6,463 ; 1985.6,463 1992.6,470 2080,470 2087,463 ; 1985.6,463 2087,463 ; 2087,463 2180,463 2203.62,439.38 2203.62,391.57 2251.18,391.57 2251.18,521.82 2098,675
  Bottom Layer w10: v1(649,1746) 1285,1746 1434,1895 3664.52,1895 3727,1832.52 3727,1557.12 3680,1510.12 U1.6 ; v1(1111,780) v1(1654,780) ; U1.8 3597,1458.89 ; v1(3597,1300) 3597,1458.89 ; R24.1 3620.51,1482.4 ; 3597,1458.89 3620.51,1482.4 ; 3620.51,1482.4 3620.51,1502.09 U1.6 ; 3620.51,1482.4 U1.7 U1.6
+12: C6.1 C7.1 C8.2 J2.1 U3.3 U3.5 | length 3761.4
  Top Layer w10: C6.1 317.99,1611.37 317.99,1712.97 360,1754.99 v1(377.01,1754.99) ; U3.3 1381,390.2 1418.4,427.6 U3.5 1492,427.6 1516.6,403 1554.63,403 1596.37,444.74 ; C7.1 1596.37,444.74 ; C8.2 1862.4,444.6 ; J2.1 1857,1071.8 1857,528 1862.4,522.6 1862.4,444.6 ; 1596.37,444.74 1608.63,457 1850,457 1862.4,444.6
  Bottom Layer w10: v1(377.01,1754.99) 678,1454 2051.2,1454 2095.2,1410 J2.1
ACTIVE: R23.2 U1.11 | length 191.7
  Bottom Layer w10: R23.2 3428.73,1320 3534.06,1425.33 U1.11
CAN_HIGH: J2.5 U4.7 | length 981
  Top Layer w10: 1305,1175 1425.5,1175 1500.5,1250 U4.7
  Bottom Layer w10: 1305,1175 1695.94,1175 J2.5
CAN_LOW: J2.4 U4.6 | length 408.7
  Top Layer w10: U4.6 1680,1200 1744.8,1135.2 J2.4
CLK: D4.20
CMD: D4.19
CTS: U1.23
D+: D5.2 J1.3 U1.4 | length 1679.4
  Top Layer w10: D5.2 3550,1895 3586.71,1858.29 ; v1(3675,1770) 3586.71,1858.29 ; 3224,1585 3224,1577.5 J1.3 3191.5,1569 3208,1569 3224,1585 ; 3224,1585 3497.29,1858.29 3586.71,1858.29
  Bottom Layer w10: U1.4 3653.32,1549.49 3712,1608.17 3712,1733 v1(3675,1770)
D-: D4.2@2941.97,1750 J1.2 U1.5 | length 2099.4
  Top Layer w10: D4.2@2941.97,1750 2941.97,1778 2888,1831.97 2888,1900 2874,1914 2840,1914 2840,1501 2880,1461 3029.59,1461 3180,1310.59 3331.59,1310.59 3534.5,1513.5 ; J1.2 3534.5,1513.5 ; v1(3662,1641) 3534.5,1513.5
  Bottom Layer w10: U1.5 3613,1545.35 3613,1620 3634,1641 v1(3662,1641)
DCD: U1.1
DSR: U1.27
DTR: Q2.2 R21.1 U1.28 | length 5355.7
  Top Layer w10: R21.1 851.61,689.39 1029,512 1029,257 v1(1139,147) ; v1(3177,147) 3498,468 3498,979 3697,1178 3697,1199 ; Q2.2 3415.4,917.4 3697,1199 ; v1(3590,1748) 3640,1748 3697,1691 3697,1199
  Bottom Layer w10: v1(1139,147) v1(3177,147) ; v1(3590,1748) 3593.11,1744.89 U1.28
EN: C9.2 C14.1 D4.3 Q1.3 R11.1 SW2.2 SW2.4 | length 5410.3
  Top Layer w10: C9.2 357.83,928.17 ; D4.3 495,1654.37 447,1606.37 447,1050 403.61,1006.61 R11.1 357.83,928.17 ; Q1.3 Q1.3@3158,577.4 ; SW2.4 3214.58,421.42 3158,478 Q1.3@3158,577.4 ; 357.83,928.17 487,799 487,504 435,452 417,452 395,430 395,239 533,101 2712,101 3026,415 3026,455 C14.1 3062.4,530 3109.8,577.4 Q1.3@3158,577.4
  Bottom Layer w10: SW2.4 SW2.2
EXT_5V: C1.1 C4.1 C5.1 D3.1 L1.2 R1.2 R2.2 U2.3 U4.3 | length 6492.8
  Top Layer w10: U2.3 693.68,324.84 738.84,370 738.84,478.84 797,537 797,845 810,858 954,858 1117.64,694.36 L1.2 1195,390 1302.09,497.09 1302.09,702.09 1372,772 1372,970 D3.1 1393,970 v1(1393,923) ; 1292,1259 1299,1259 1339,1219 1339,1200 U4.3 1429,1200 1502,1273 1662,1273 1688,1247 1786,1247 1817,1278 1817,1543 1770,1590 ; C1.1 1717.6,1536 1770,1588.4 1770,1590 ; C4.1 2188.62,391.14 2188.62,376.57 2266.18,376.57 ; R2.2 2597.39,460 2528.39,391 2358.76,391 C5.1 2272.01,376.57 2266.18,376.57 ; 1770,1590 R1.2 1770,1810 1810,1850 2006,1850 2266.18,1589.82 2266.18,376.57
  Bottom Layer w10: 1292,1259 1263,1230 1263,1117.15 1393,987.15 v1(1393,923)
GND: C1.2 C3.2 C4.2 C5.2 C6.2 C7.2 C8.1 C9.1 C14.2 C15.1 C19.1 C20.1 C21.2 C22.1 D1.1 D4.1 D4.15 D4.38 D4.39 D5.1 D6.1 J1.4 J1.5 J1.Shell J2.6 R23.1 R26.1 ST1.1 ST2.1 ST3.1 ST4.1 SW1.1 SW1.3 SW2.1 SW2.3 U1.3 U1.29 U2.1 U3.1 U4.2 U4.8 | length 15704.4
  Top Layer w10: ST2.1 297.5,292.5 297.5,450 352.66,505.16 U2.1 425.28,551.28 472,598 472,638 357.83,752.17 C9.1 ; D4.39@768.39,1386.85 768.39,1459.09 D4.39@768.39,1531.34 ; D4.39@840.63,1386.85 D4.39@912.87,1386.85 ; D4.39@840.63,1459.09 D4.39@912.87,1459.09 ; D4.39@912.87,1531.34 1135.91,1754.37 D4.38 1302.37,1754.37 1358,1810 1358,1915 1370,1927 1460,1927 1484,1903 1484,1670 1412,1598 1412,1368 ; C19.1 1185,818 1152,785 1152,676 1287.09,676 1287.09,765.43 1343,821.34 1343,990 1498,990 1498,850 1355,707 U3.1@1355,465 ; U4.2 1402,1250 1412,1260 1412,1368 ; C20.1 1549.54,641.54 1373,465 U3.1@1355,465 ; C8.1 1787.6,368.8 1800,356.4 1908.4,356.4 ; C1.2 1792.4,1450 1642.4,1300 U4.8 1480,1300 1412,1368 ; v1(1958,363) v1@1951.4,356.4 ; C3.2 2057.4,400 ; J2.6 1910,765.75 C22.1 1910,358 1908.4,356.4 ; C4.2 2227.4,490 2200.4,517 2000,517 1958,475 1958,390 2047.4,390 2057.4,400 ; C21.2 2560,294.8 v1(2628.2,363) ; C15.1 2735,830 2725,840 2725,1959 2771,2005 ST4.1 ; D5.1 2860,1565 2880,1545 D6.1 2904.02,1640.02 2981.12,1717.12 ; D4.1@2890,1750 2890,1727.12 2981.12,1717.12 ; v1(2915,363) 2987.6,435.6 C14.2 2987.6,499.6 3061.77,573.77 R26.1 ; v1(3124,1860) 2981.12,1717.12 ; J1.5 3226.93,1643.43 3226.93,1710.35 v1(3376.58,1860) ; J1.Shell@3226.93,1379.65 3226.93,1537.13 J1.4 ; 1280,238 1300,218 1770,218 ; 1280,238 1280,444 1301,465 U3.1 U3.1@1355,465 ; 1280,238 1280,228 1300,208 1760,208 1770,218 ; 1770,218 1813,218 v1@1951.4,356.4 ; 1770,218 1908.4,356.4 ; 1908.4,356.4 v1@1951.4,356.4 ; v1@1951.4,356.4 2023.8,356.4 2057.4,390 2057.4,400
  Bottom Layer w10: v1(1958,363) v1(2628.2,363) v1(2915,363) 3512,363 ST3.1 ; v1(3124,1860) v1(3376.58,1860) 3588,1860 3625,1823 3625,1732 3681,1676 ; R23.1 3415,1111.95 3412.05,1109 SW1.3 SW1.1 ; U1.29 3551,1566.43 3551,1628.66 3599.46,1628.66 3646.8,1676 3681,1676 ; U1.3 3665.99,1595.99 3697,1623.17 3697,1660 3681,1676
IO0: C15.2 D4.25 Q2.3 SW1.2 SW1.4 | length 3638.3
  Top Layer w10: D4.25 1249,1104.37 v1(1249,1047) ; C15.2 2955,904.8 2979.8,880 v1(3105.58,880) ; 3139.58,846 v1(3105.58,880) ; Q2.3 v1(3105.58,880)
  Bottom Layer w10: v1(1249,1047) 1348,948 1348,890 1392,846 3071.58,846 v1(3105.58,880) ; 3139.58,846 3623.37,846 SW1.2 SW1.4 3184.16,801.42 3139.58,846
IO2: D4.24
IO4: D4.26 U4.4 | length 152.2
  Top Layer w10: D4.26 1263.2,1154.37 1267.57,1150 U4.4
IO5: D4.29 U4.1 | length 152.2
  Top Layer w10: D4.29 1264.53,1304.37 1268.9,1300 U4.1
IO12: D4.14
IO13: D4.16
IO14: D4.13
IO15: D4.23
IO16: D4.27
IO17: D4.28
IO18: D4.30
IO19: D4.31
IO21: D4.33
IO22: D4.36
IO23: D4.37
IO25: D4.10
IO26: D4.11
IO27: D4.12
IO32: D4.8
IO33: D4.9
IO34: D4.6
IO35: D4.7
NetC2_1: C2.1 L1.1 U3.2 | length 3144.5
  Top Layer w10: L1.1 815,557.36 815,837 891,837 891,699 1059,531 1059,279 1180,279 1200,299 v1(1200,344) ; 1300,427.6 U3.2 ; v1(2456,482) 2579,605 C2.1
  Bottom Layer w10: v1(1200,344) 1338,482 1354.4,482 ; 1300,427.6 1354.4,482 ; v1(2456,482) 1354.4,482
NetC2_2: C2.2 U3.6 | length 1749.3
  Top Layer w10: U3.6 1509,465 v1(1527,447) ; v1(2703,325) 2805,427 2805,664.8 2790,679.8 C2.2
  Bottom Layer w10: v1(1527,447) 1649,325 v1(2703,325)
NetD1_2: D1.2 R2.1 | length 3414
  Top Layer w10: D1.2 275,1441.69 275,783 v1(437,621) ; v1(2747,531.02) 2776.02,502 R2.1
  Bottom Layer w10: v1(437,621) 526.98,531.02 v1(2747,531.02)
NetQ1_1: Q1.1 R21.2 | length 2640.2
  Top Layer w10: R21.2 928.39,739 v1(1039.39,628) ; Q1.1 3280,540 3325,585 v1(3325,628)
  Bottom Layer w10: v1(1039.39,628) v1(3325,628)
NetQ2_1: Q2.1 R22.2 | length 2807.6
  Top Layer w10: R22.2 663,815 v1(723,875) ; v1(3144,697) 3144,737.6 3249,842.6 Q2.1
  Bottom Layer w10: v1(723,875) 777,821 3020,821 v1(3144,697)
NetR1_1: R1.1 R3.2 U3.4 | length 5107.2
  Top Layer w10: v1(260,385) 260,1753 302,1795 ; R3.2 357.83,1412.83 369,1424 369,1536 302,1603 302,1795 ; v1(1315,260) 1421,366 1421,390.2 U3.4 ; R1.1 1708.98,1704 1334.98,2078 435,2078 367,2010 367,1860 302,1795
  Bottom Layer w10: v1(260,385) 385,260 v1(1315,260)
RI: U1.2
RST: R24.2 U1.9 | length 202.7
  Bottom Layer w10: R24.2 3559.49,1408.02 3573.43,1421.96
RTS: Q1.2 R22.1 U1.24 | length 4727.4
  Top Layer w10: R22.1 v1(556.61,949) ; Q1.2 3255,614.8 3305,678 3305,810 3383,888 v1(3456,888)
  Bottom Layer w10: v1(556.61,949) 925.61,1318 1506,1318 1581,1243 2762,1243 3160,1641 3320,1641 3372,1589 ; v1(3456,888) 3414,888 3372,930 3372,1589 ; U1.24 3514.37,1664.63 3500,1679 3401,1679 3372,1650 3372,1589
RXD: R17.2 U1.25 | length 3237.4
  Top Layer w10: R17.2 1254.45,754 1328,827.55 1328,1045.5 1505.5,1223 1803,1223 1834,1254 1834,1644 v1(1994,1804)
  Bottom Layer w10: v1(1994,1804) 3480,1804 3534.06,1749.94 U1.25
RXD0: D4.34 R18.1 | length 430.3
  Top Layer w10: D4.34 1312,1554.37 1373,1615.37 1373,1825 R18.1
SD0: D4.21
SD1: D4.22
SD2: D4.17
SD3: D4.18
SENSOR_VN: D4.5
SENSOR_VP: D4.4
Serial_1: J2.3
Serial_2: J2.2
TXD: R18.2 U1.26 | length 2542.8
  Top Layer w10: R18.2 1449,1893.9 v1(1449,1711)
  Bottom Layer w10: v1(1449,1711) 1723,1711 1859,1847 3067.22,1847 3089.35,1824.88 3502.12,1824.88 3553.74,1773.26 U1.26
TXD0: D4.35 R17.1 | length 1065.9
  Top Layer w10: R17.1 1185.55,750.55 1245,810 1288,810 1298,820 1298,917 1165,1050 1165,1604.37 D4.35
VBUS: D3.2 D6.2 J1.1 R25.1 | length 2493.2
  Top Layer w10: v1(1445,887) 1445,970 D3.2 ; D6.2 2955.98,1526.02 3000,1482.01 J1.1 ; v1(3031,1208) 3031,1260.55 R25.1
  Bottom Layer w10: v1(1445,887) 2710,887 v1(3031,1208) 3031,1321.51 J1.1
pads on no net: D4.32 J2.MH1 J2.MH2 J2.MH3 J2.MH4 R3.1 U1.10 U1.12 U1.13 U1.14 U1.15 U1.16 U1.17 U1.18 U1.19 U1.20 U1.21 U1.22 U4.5

## Polygon pours and split planes (outlines as drawn)
GND on Top Layer "Ground" (solid, pour order 1): 120,2110 3760,2110 3760,105 120,105
GND on Bottom Layer "Ground_Top" (solid, pour order 2): 120,2110 3760,2110 3760,105 120,105

## Silkscreen, mask and mechanical layers (free items; w line width, h text height)
Top Overlay:
  drawing of 2 lines, arcs and shapes, not listed
Mechanical 1:
  the board outline again, w0.5